# KiCad board CPU2908C.kicad_pcb (continued)
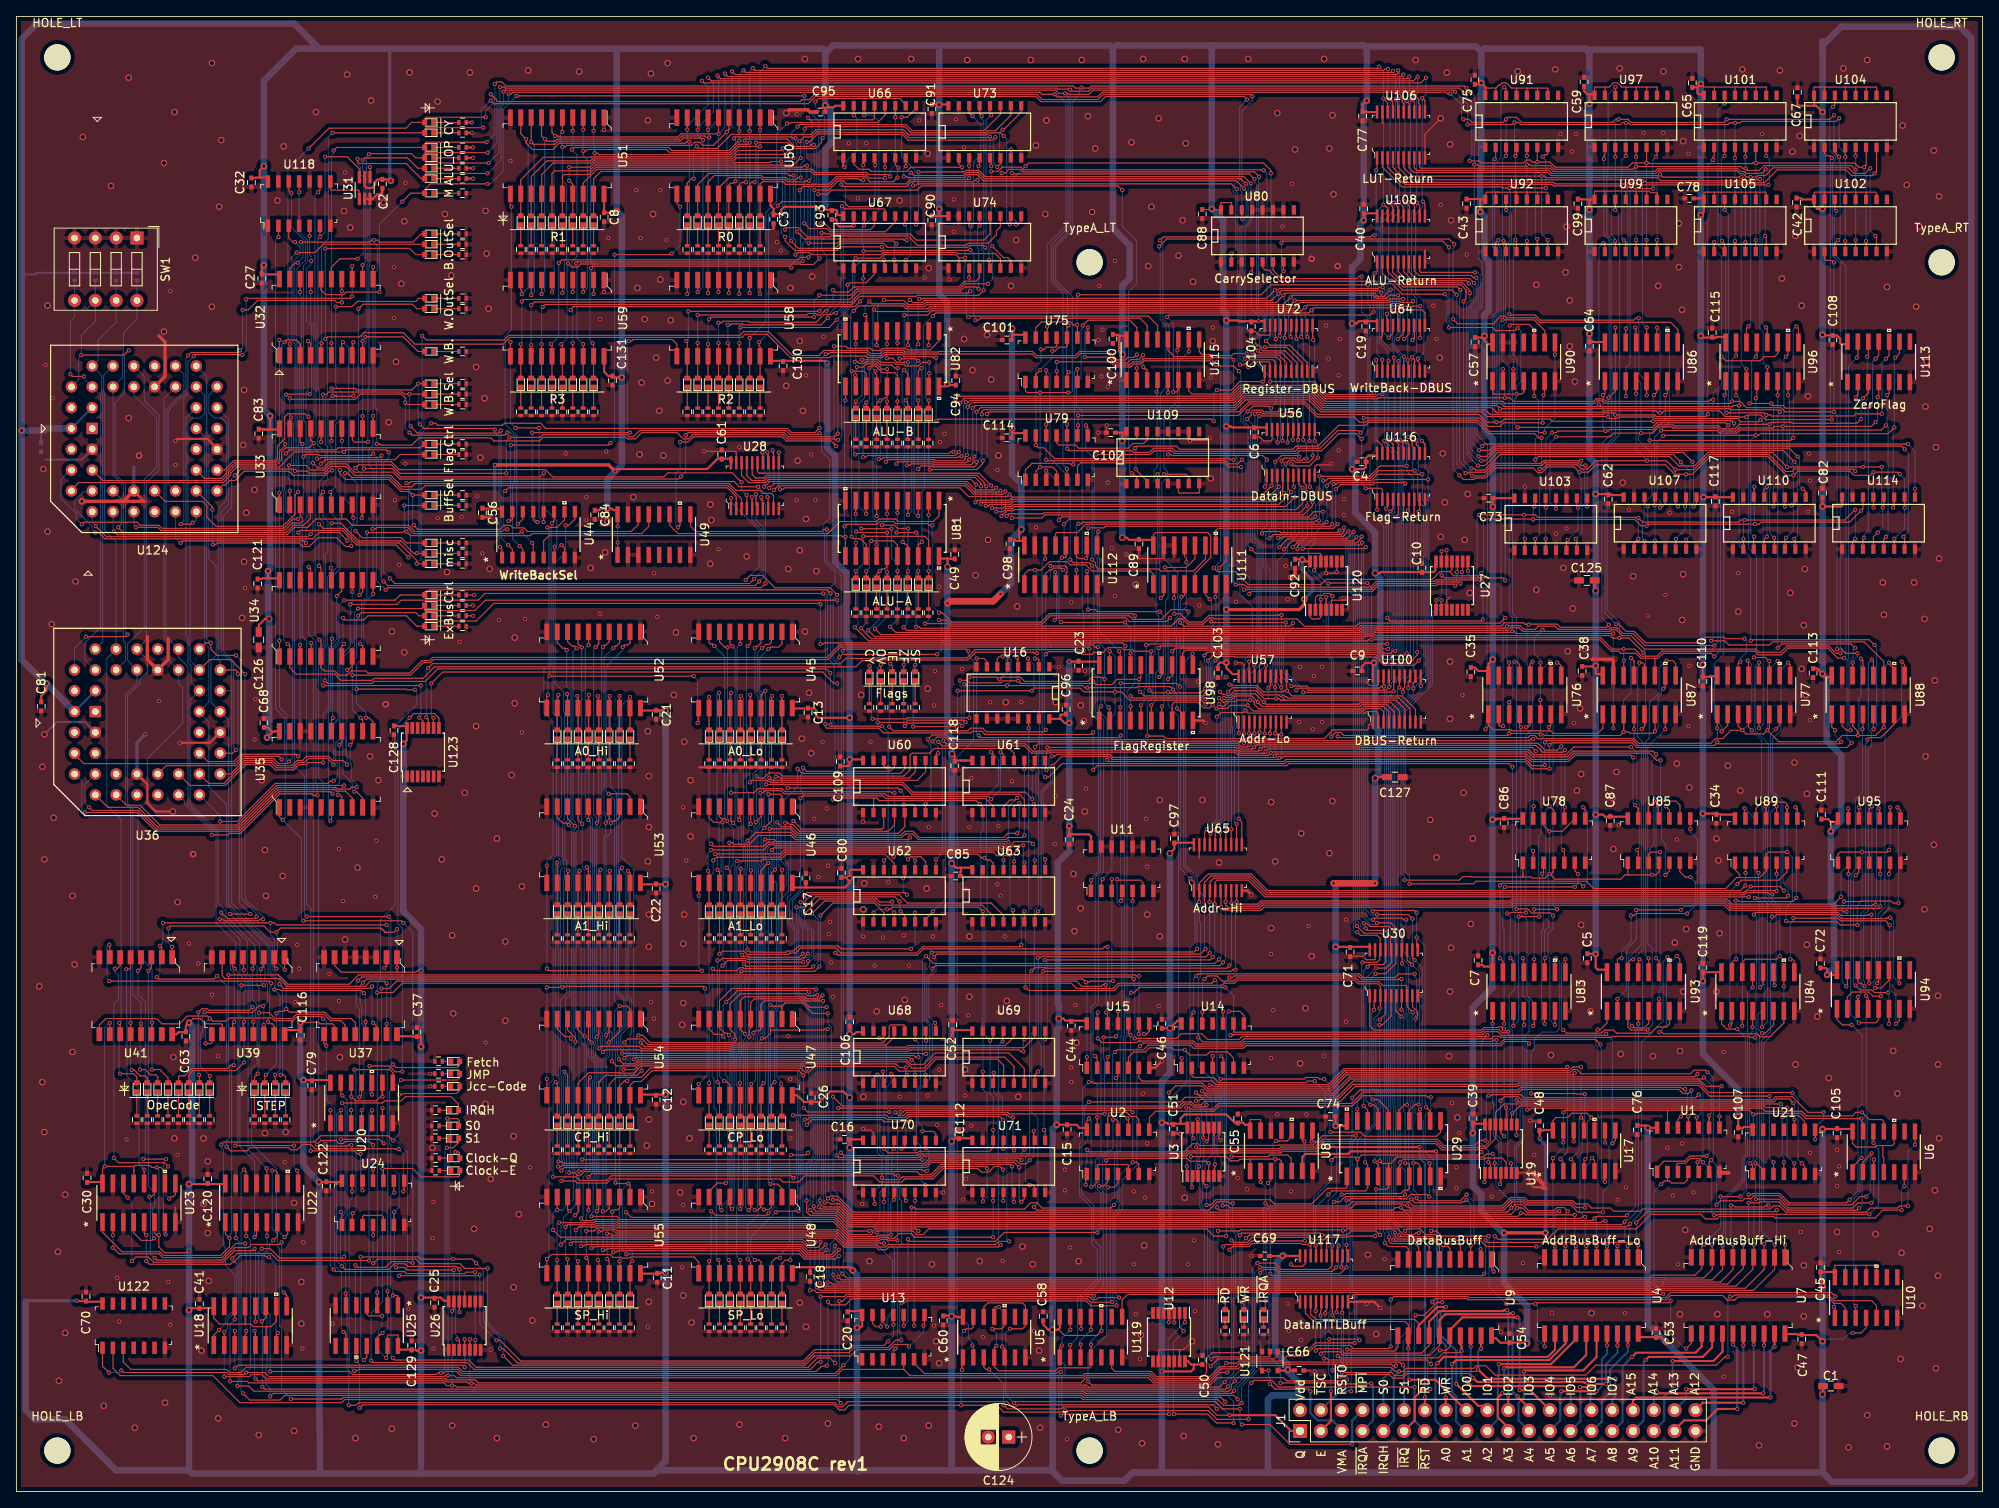
[diagram p0: board, top side]
## Routing (per net, layer and track width the routed paths; a pad name or vN(x,y) marks a point on that pad's centre or on a via; arc(x,y) is an arc through that point) (continued)
/Executer/BR_SEL1: length 220.2
  Top w0.127: 139.31,141.03 139.31,142.3 138.16,143.44 116.32,143.44 v1(116.19,143.31) ; U33.2 v1(33.37,122.1) ; U66.2 102.2,162 102.85,161.35 104.07,161.35 104.33,161.09 108.68,161.09 109.18,161.6 v1(115.43,161.6) 115.03,162 U73.2 ; 115.05,150.55 v1(115.81,150.55) ; 115.05,150.55 114.67,150.93 105.87,150.93 105.43,150.49 v1(102.46,150.49) 102.2,150.24 U67.2 ; 115.05,150.55 115.05,149.28 ; v1(34.2,151.19) 36.44,151.19 37.45,152.2 49.88,152.2 ; v1(33.26,125.21) 35.36,125.21 35.93,124.64 37.57,124.64 38.34,125.4 40.24,125.4 41.26,124.39 45.96,124.39 46.8,123.55 80.83,123.55 v1(81.14,123.86) ; v1(100.25,129.09) 99.87,128.71 94.22,128.71 93.71,129.21 82.01,129.21 v1(81.69,128.89)
  Bottom w0.127: v1(115.43,161.6) 115.43,161.1 115.81,160.72 v1(115.81,150.55) 115.81,149.53 115.68,149.41 115.68,147.63 115.94,147.38 115.94,143.56 v1(116.19,143.31) ; v1(102.46,150.49) 102.08,150.11 102.08,147.93 ; v1(81.69,128.89) 81.69,124.42 v1(81.14,123.86) ; 100.26,129.66 100.26,128.86 ; 100.26,129.66 100.26,129.45 100.25,129.44 v1(100.25,129.09) ; 100.26,129.66 100.26,142.38 100.94,143.06 100.94,143.99 102.08,145.13 102.08,147.93 ; v1(34.2,151.19) 33.62,150.61 33.62,140.41 34.02,140.01 34.02,130.59 33.57,130.15 33.57,125.52 v1(33.26,125.21) 33.26,123.5 33.37,123.39 v1(33.37,122.1) ; 102.08,147.93 102.08,148.01
/Executer/BR_SEL2: length 216.8
  Top w0.127: v1(37.7,140.64) 37.95,140.89 41.9,140.89 42.41,141.4 47.23,141.4 48.63,140.01 59.42,140.01 60.24,140.83 88.57,140.83 88.95,141.21 91.64,141.21 94.49,138.37 99.31,138.37 99.5,138.56 103.67,138.56 103.87,138.36 105.68,138.36 106.06,138.73 108.07,138.73 108.32,138.49 111.77,138.49 111.9,138.36 v1(112.25,138.36) ; v1(37.7,151.69) 47.99,151.69 48.75,150.93 49.75,150.93 ; U123.11 49.63,94.03 49.21,94.44 v1(49.14,94.44) ; v1(146.16,130.61) 145.91,130.86 112.5,130.86 v1(112.25,130.61) ; U72.1 152.37,135.67 v1(152.13,135.44) 149.34,135.44 148.32,134.42 v1(146.54,134.42) ; 37.18,120.41 37.18,121.72 v1(37.44,121.97) ; v1(49.37,98.35) v1(37.45,98.35)
  Bottom w0.127: v1(37.7,151.69) v1(37.7,140.64) 37.95,140.39 37.95,133.71 37.7,133.46 37.7,127.82 37.96,127.56 37.96,123.5 37.44,122.97 v1(37.44,121.97) 37.44,118.94 38.02,118.35 38.02,114.67 37.7,114.36 37.7,103.32 37.2,102.82 37.2,98.6 v1(37.45,98.35) ; v1(146.54,134.42) 146.16,134.04 v1(146.16,130.61) ; v1(49.37,98.35) 49.37,94.67 v1(49.14,94.44) ; v1(112.25,138.36) v1(112.25,130.61)
/Executer/BuffSel0: length 68.5
  Top w0.127: v1(39.48,124.64) 39.48,124.24 40.23,123.5 40.87,123.5 40.87,123.5 45.47,123.5 46.93,122.04 47.92,122.04 v1(48.37,121.59) 49.88,121.59 ; U49.14 75.92,118.02 75.04,117.15 62.37,117.15 61.92,117.6 60.59,117.6 60.28,117.91 59.55,117.91 59.04,117.4 49.01,117.4 v1(48.5,117.91) ; v1(38.52,104.07) 38.45,104 U34.6
  Bottom w0.127: v1(48.5,117.91) 48.37,118.04 v1(48.37,121.59) ; v1(39.48,124.64) 39.48,112.58 38.52,111.61 v1(38.52,104.07)
/Executer/BuffSel1: length 57.9
  Top w0.127: v1(42.78,117.02) 47.13,117.02 47.26,117.15 v1(47.61,117.15) 48.12,116.64 59.53,116.64 59.53,116.64 62.71,116.64 62.96,116.89 76.31,116.89 77.19,117.77 U49.13 ; U34.9 42.26,103.14 v1(41.96,103.43) ; 49.75,120.32 v1(47.36,120.32)
  Bottom w0.127: v1(47.36,120.32) 47.36,117.4 v1(47.61,117.15) ; v1(41.96,103.43) 41.96,103.79 42.15,103.97 42.15,108.49 42.78,109.13 v1(42.78,117.02)
/Executer/CarryIn: length 174.4
  Top w0.127: v1(176.13,124.01) 176.64,123.5 177.87,123.5 178.06,123.69 179.3,123.69 180.51,124.9 185.15,124.9 185.15,124.88 185.7,124.33 186.19,124.33 186.88,125.02 190.16,125.02 v1(190.79,124.39) 191.88,124.39 192.77,125.28 201.28,125.28 202.42,124.13 v1(203.82,124.13) 204.58,124.13 206.74,126.29 213.78,126.29 216.07,124.01 v1(216.9,124.01) 217.41,124.51 223.8,124.51 224.31,124.01 226.3,124.01 v1(226.68,124.39) 229.65,124.39 v1(229.88,124.16) ; v1(174.87,151.82) 174.1,152.58 165.97,152.58 165.97,152.58 154.54,152.58 154.42,152.46 v1(154.42,152.4) ; v1(226.68,120.07) 226.68,121.21 ; U107.10 203.81,120.31 v1(203.69,120.2) ; U80.7 154.66,148.91 v1(154.67,148.9) ; U110.6 215.87,116.24 v1(216.01,116.39) ; U96.7 216.25,133.8 v1(216.27,133.79) ; v1(216.65,120.32) 216.78,120.32 217.14,120.69 U110.10 ; v1(189.34,116.13) 189.2,115.99 U103.6 ; U103.10 190.47,120.21 v1(190.61,120.07) ; v1(230.49,120.07) 230.49,121.34 ; v1(229.22,116.26) 229.22,114.99 ; 202.55,115.12 v1(202.55,116.26)
  Bottom w0.127: v1(174.87,151.82) 174.87,142.8 175.37,142.3 175.37,124.77 v1(176.13,124.01) ; v1(189.34,116.13) 190.61,117.4 v1(190.61,120.07) 190.86,120.32 190.86,120.33 190.99,120.46 190.99,123.63 190.79,123.83 v1(190.79,124.39) ; 216.9,120.32 v1(216.9,124.01) 216.9,125.15 216.45,125.61 216.45,133.25 216.27,133.43 v1(216.27,133.79) ; 216.9,120.32 v1(216.65,120.32) ; 216.9,120.32 216.9,117.28 v1(216.01,116.39) ; v1(202.55,116.26) 203.69,117.4 v1(203.69,120.2) 203.69,124.01 v1(203.82,124.13) ; v1(229.88,124.16) 230.49,123.54 v1(230.49,120.07) 230.49,117.53 v1(229.22,116.26) ; v1(226.68,120.07) v1(226.68,124.39) ; v1(154.42,152.4) 154.42,149.15 v1(154.67,148.9)
/Executer/Flag0: length 21
  Top w0.127: v1(140.07,124.13) 142.73,124.13 143.12,123.75 143.12,123.12 ; v1(139.69,109.02) 140.07,109.4 140.07,110.55
  Bottom w0.127: v1(139.69,109.02) 139.56,109.15 139.56,115.5 ; 139.56,115.5 139.56,123.63 v1(140.07,124.13) ; 139.56,115.5 139.56,115.37
/Executer/Flag3: length 34.5
  Top w0.127: v1(131.3,113.72) 131.72,113.3 131.72,112.92 132.07,112.58 139.43,112.58 139.69,112.32 143.67,112.32 145.15,113.8 145.15,114.99 ; v1(130.54,130.1) 130.78,129.87 U79.8
  Bottom w0.127: v1(131.3,113.72) 131.3,126.3 130.54,127.06 v1(130.54,130.1)
/Executer/Flag5: length 176.7
  Top w0.127: v1(169.77,101.53) 166.99,101.53 166.1,102.42 145.38,102.42 v1(145,102.04) ; 140.82,97.47 140.87,97.43 141.39,97.43 141.42,97.46 144.58,97.46 v1(145.09,97.97) ; 140.82,97.47 138.59,97.47 v1(138.29,97.78) ; 140.82,97.47 140.69,97.47 v1(140.57,97.59) ; v1(169.84,119.69) 169.98,119.83 U116.7 ; v1(126.22,112.95) 128.01,112.95 128.26,112.7 128.26,112.23 128.11,112.08 U112.5 ; v1(125.65,92.95) 125.4,92.7 118.41,92.7 117.97,93.15 116.44,93.15 116.12,92.82 107.05,92.82 v1(106.54,93.33) ; 106.92,100.26 106.92,100.77 v1(106.67,101.02) ; v1(125.65,102.16) 125.97,102.48 129.7,102.48 130.02,102.17 131.31,102.17 131.54,102.4 132.65,102.4 133.24,102.98 134.92,102.98 135.17,102.73 136.21,102.73 136.4,102.54 v1(138.54,102.54) 138.53,102.53 U98.15 ; U14.1 142.21,52.87 v1(142.23,52.89)
  Bottom w0.127: v1(125.65,92.95) 125.46,93.14 125.46,101.98 v1(125.65,102.16) 125.65,110.99 126.22,111.56 v1(126.22,112.95) ; v1(140.57,97.59) 140.57,95.92 141.84,94.65 141.84,53.27 v1(142.23,52.89) ; v1(106.67,101.02) 106.54,100.89 v1(106.54,93.33) ; v1(138.54,102.54) 138.29,102.29 v1(138.29,97.78) ; v1(145.09,97.97) 145.09,98.33 145.27,98.51 145.27,100.77 145,101.04 145,101.62 145,101.62 v1(145,102.04) ; v1(169.84,119.69) 170.15,119.38 170.15,101.91 v1(169.77,101.53)
/Executer/Flag6: length 181.4
  Top w0.127: U112.14 v1(125.57,113.83) ; U113.13 224.78,138.49 v1(224.65,138.36) ; v1(224.01,91.37) 223.44,90.79 197.81,90.79 197.24,91.37 187.38,91.37 v1(187.12,91.11) ; v1(125.59,87.18) 125.99,87.18 127.64,88.83 154.8,88.83 155.06,89.08 184.14,89.08 185.03,88.19 v1(187.12,88.19)
  Bottom w0.127: v1(224.01,91.37) 223.45,91.94 223.45,101.46 223.63,101.65 223.63,137.34 v1(224.65,138.36) ; v1(125.59,87.18) 125.21,87.56 125.21,113.47 v1(125.57,113.83) ; v1(187.12,88.19) v1(187.12,91.11)
/Executer/FlagOut1: length 56.5
  Top w0.127: v1(137.26,95.94) 137.26,94.67 ; U116.3 167.38,120.14 v1(167.18,119.94) ; v1(167.33,103.43) 138.37,103.43 138.25,103.31 v1(137.89,103.31)
  Bottom w0.127: v1(167.33,103.43) 167.33,105.95 167.77,106.39 167.77,106.82 167.65,106.94 167.65,111.57 167.18,112.03 v1(167.18,119.94) ; v1(137.89,103.31) 137.89,98.1 137.65,97.86 137.65,96.34 v1(137.26,95.94)
/Executer/FlagOut2: length 55.7
  Top w0.127: v1(139.43,102.92) 139.69,103.18 166.45,103.18 166.81,102.81 v1(167.44,102.81) ; v1(138.53,95.94) 138.53,94.8 ; v1(167.71,119.6) 168.03,119.92 U116.4
  Bottom w0.127: v1(167.71,119.6) 167.46,119.35 167.46,112.11 167.9,111.67 167.9,107.05 168.03,106.92 168.03,106.29 167.9,106.16 167.9,103.28 v1(167.44,102.81) ; v1(138.53,95.94) 139.05,96.46 139.05,99.88 139.43,100.26 v1(139.43,102.92)
/Executer/FlagOut4: length 47.7
  Top w0.127: v1(169.71,118.93) 169.33,119.3 U116.6 ; 142.34,101.4 142.34,102.29 142.72,102.67 166.2,102.67 166.83,102.04 169.45,102.04 v1(169.7,102.29)
  Bottom w0.127: v1(169.7,102.29) 169.71,102.3 v1(169.71,118.93)
/Executer/IDB0: length 194.9
  Top w0.127: v1(146.53,94.54) 147.04,95.06 149.78,95.06 v1(150.03,95.31) 150.35,94.99 164.65,94.99 164.83,95.18 165.97,95.18 166.22,94.93 U100.2 ; v1(110.08,119.05) 110.08,120.7 ; v1(153.95,128) 153.95,129.54 153.89,129.59 ; v1(110.21,145.53) 110.56,145.53 110.63,145.6 152.59,145.6 v1(153.63,146.63) 153.98,146.63 154.16,146.81 166.27,146.81 166.41,146.94 v1(166.76,146.94) ; U65.18 145.03,80.53 v1(145.33,80.83) ; v1(153.73,140.61) 153.73,140.97 153.66,141.04 153.66,141.9 153.64,141.91 ; U82.3 v1(110.08,140.01) ; v1(167.3,143.69) 167.3,142.73 167.36,142.68 ; v1(150.28,131.79) 150.94,132.44 152.88,132.44 v1(153.13,132.19) ; v1(150.47,101.27) 150.47,99.75
  Bottom w0.127: v1(153.63,146.63) 153.38,146.38 153.38,140.96 v1(153.73,140.61) 153.73,132.79 v1(153.13,132.19) 153.13,128.83 v1(153.95,128) ; 167.15,145.76 167.05,145.86 ; 167.15,145.76 167.05,145.86 ; 167.15,145.76 167.3,145.6 v1(167.3,143.69) ; 167.05,145.86 167.05,146.5 167.05,146.51 167.05,146.66 v1(166.76,146.94) ; v1(110.21,145.53) 110.08,145.4 v1(110.08,140.01) 109.83,139.76 109.83,139 109.57,138.74 109.57,119.44 109.95,119.05 v1(110.08,119.05) ; v1(146.53,94.54) 146.53,94.04 146.53,82.03 v1(145.33,80.83) ; v1(150.28,131.79) 149.79,131.29 149.79,130.65 150.62,129.82 150.62,116 151.41,115.2 151.41,102.22 v1(150.47,101.27) 150.47,100.62 149.85,100 149.85,95.49 v1(150.03,95.31)
/Executer/IDB1: length 197.5
  Top w0.127: 154.28,141.91 154.28,141.37 154.29,141.36 154.22,141.28 v1(154.22,141) ; v1(151.1,100.89) 151.1,99.88 ; v1(150.23,130.87) 150.73,131.37 150.73,131.73 150.96,131.96 152.03,131.96 152.24,131.75 154.02,131.75 v1(154.28,132.01) ; v1(146.48,95.56) 147.8,95.56 148.18,95.94 v1(150.29,95.94) 150.98,95.25 164.39,95.25 164.71,95.56 166.48,95.56 166.87,95.17 U100.3 ; v1(108.81,139.88) 108.81,141.53 ; U81.4 v1(108.81,119.18) ; U65.17 145.68,80.23 v1(145.77,80.32) ; v1(154.55,128.2) 154.55,129.07 154.53,129.09 ; v1(109.06,145.41) 109.38,145.09 110.6,145.09 110.85,145.34 119.35,145.34 153.23,145.34 v1(154.06,146.18) 154.43,146.54 166.36,146.54 v1(166.61,146.29) ; v1(167.51,140.81) 167.99,141.29 167.99,141.78
  Bottom w0.127: v1(145.77,80.32) 145.77,80.91 146.97,82.11 146.97,95.07 v1(146.48,95.56) ; v1(166.61,146.29) 166.61,145.94 166.86,145.68 166.86,141.45 v1(167.51,140.81) ; v1(108.81,119.18) 109.29,119.66 109.29,139.4 v1(108.81,139.88) 108.81,145.16 v1(109.06,145.41) ; v1(154.55,128.2) 154.28,128.48 v1(154.28,132.01) 154.28,140.95 v1(154.22,141) 154.06,141.16 v1(154.06,146.18) ; v1(150.29,95.94) 150.29,96.25 150.1,96.44 150.1,99.89 v1(151.1,100.89) 151.1,101.32 151.67,101.89 151.67,115.31 150.88,116.09 150.88,130.21 v1(150.23,130.87)
/Executer/IDB2: length 201.1
  Top w0.127: 168.63,142.68 168.63,143.63 v1(168.11,144.15) ; v1(146.81,96.09) 147.06,95.84 147.44,95.84 147.99,96.39 148.77,96.39 148.96,96.58 v1(150.61,96.58) 150.86,96.58 151.1,96.34 151.1,96.05 151.65,95.5 164.26,95.5 164.58,95.81 166.86,95.81 167.52,95.15 U100.4 ; v1(151.17,131.52) 151.34,131.69 151.94,131.69 152.13,131.5 154.78,131.5 v1(155.16,131.88) ; 108.94,144.84 109.19,144.84 ; 109.19,144.84 108.81,144.84 108.3,145.34 105.89,145.34 ; 109.19,144.84 110.71,144.84 110.97,145.09 153.77,145.09 v1(154.66,145.98) 154.91,146.23 165.73,146.23 166.1,145.85 166.93,145.85 v1(167.74,146.66) ; U65.16 146.33,80.71 v1(146.35,80.73) ; 155.04,141.91 154.93,141.8 154.93,141.25 154.8,141.12 v1(154.8,140.77) ; v1(152,101.15) 151.74,100.88 151.74,99.88 ; U82.7 v1(105,139.88) ; 155.16,129.34 v1(155.16,128) ; v1(105,119.05) 105,120.07
  Bottom w0.127: v1(167.74,146.66) 167.74,146.31 167.95,146.1 167.95,144.67 168.11,144.5 v1(168.11,144.15) ; v1(146.35,80.73) 146.35,81.13 147.22,82.01 147.22,95.68 v1(146.81,96.09) ; v1(154.66,145.98) 154.66,145.62 154.8,145.48 v1(154.8,140.77) 154.8,132.25 v1(155.16,131.88) v1(155.16,128) ; v1(105,119.05) 105,125.51 104.81,125.7 104.81,126.25 105,126.44 105,134.93 105.51,135.44 105.51,139.37 v1(105,139.88) 105,140.24 105.13,140.36 105.13,144.65 v1(105.89,145.41) ; 150.63,96.64 150.63,99.77 v1(152,101.15) 152,101.5 151.92,101.58 151.92,115.41 151.17,116.16 v1(151.17,131.52)
/Executer/IDB3: length 207.2
  Top w0.127: U100.5 168.17,95.14 167.25,96.07 164.32,96.07 164.07,95.81 152.05,95.81 v1(151.54,96.32) 150.78,97.08 148.79,97.08 148.35,96.64 147.88,96.64 147.56,96.33 147.3,96.33 v1(146.8,96.83) ; 152.5,99.75 152.53,99.78 v1(152.53,100.8) ; U82.8 103.73,143.44 v1(103.6,143.56) ; 103.73,142.17 103.73,142.93 ; 169.26,141.66 169.26,141.26 v1(168.64,140.64) ; v1(146.91,80.45) 146.98,80.38 U65.15 ; v1(155.81,128.32) 155.81,129.08 ; v1(155.54,140.9) 155.54,141.91 ; v1(168.64,145.98) 167.6,145.98 167.22,145.6 166,145.6 165.62,145.97 155.79,145.97 v1(155.54,145.72) 154.66,144.83 111.09,144.83 110.84,144.58 108.68,144.58 108.33,144.93 104.39,144.93 v1(104.11,145.22) ; v1(155.8,131.63) 155.42,131.25 v1(151.73,131.25) ; U81.8 v1(103.73,119.31)
  Bottom w0.127: v1(146.8,96.83) 147.54,96.08 147.54,81.97 146.91,81.33 v1(146.91,80.45) ; v1(104.11,145.22) 103.6,144.71 v1(103.6,143.56) 103.85,143.32 103.85,137.74 103.54,137.43 103.54,133.47 102.84,132.77 102.84,120.2 v1(103.73,119.31) ; v1(155.54,145.72) 155.3,145.47 155.3,141.15 v1(155.54,140.9) 155.8,140.64 v1(155.8,131.63) 155.81,131.62 v1(155.81,128.32) ; v1(151.73,131.25) 151.48,131 151.48,116.21 152.18,115.52 152.18,112.87 152.53,112.51 v1(152.53,100.8) 151.54,99.81 v1(151.54,96.32) ; v1(168.64,140.64) 168.89,140.89 168.89,144.38 168.77,144.5 168.77,145.85 v1(168.64,145.98)
/Executer/IDB4: length 207.8
  Top w0.127: U82.13 103.73,136.45 103.47,136.71 v1(101.95,136.71) ; v1(153.66,125.66) 154.42,126.42 156.45,126.42 v1(156.58,126.29) ; v1(156.24,140.64) 156.24,141 156.18,141.06 156.18,141.91 ; v1(169.26,145.53) 167.63,145.53 167.45,145.34 156.4,145.34 156.38,145.32 v1(156.02,145.32) 155.29,144.58 111.48,144.58 111.22,144.33 108.58,144.33 108.23,144.68 102.81,144.68 v1(102.2,144.07) ; v1(147.67,81.08) 147.63,81.04 U65.14 ; 103.73,114.99 103.73,115.56 103.03,116.26 102.2,116.26 v1(101.95,116.51) ; U57.14 153.09,98.31 v1(152.81,98.04) ; v1(156.43,128.32) 156.43,129.21 ; v1(169.38,140.64) 170.02,141.28 170.02,141.91 ; v1(147.43,96.83) 147.49,96.9 148.24,96.9 148.68,97.34 151.23,97.34 v1(152.24,96.32) 152.5,96.07 163.82,96.07 164.07,96.32 167.75,96.32 168.82,95.25 U100.6
  Bottom w0.127: v1(153.66,125.66) 153.66,125.3 153.64,125.29 153.64,122.18 153.2,121.73 153.2,117.6 152.5,116.89 152.5,112.97 153.02,112.45 153.02,98.61 152.81,98.4 v1(152.81,98.04) ; v1(147.67,81.08) 147.92,81.33 147.92,96.33 v1(147.43,96.83) ; v1(169.38,140.64) 169.26,140.77 v1(169.26,145.53) ; v1(156.02,145.32) 155.77,145.07 155.77,144.72 156.24,144.25 v1(156.24,140.64) 156.43,140.45 v1(156.43,128.32) 156.43,126.44 v1(156.58,126.29) ; v1(152.24,96.32) 152.81,96.89 v1(152.81,98.04) ; v1(152.81,98.04) 152.87,97.98 152.87,97.97 152.88,97.97 152.88,98.1 ; v1(102.2,144.07) 101.82,143.69 101.82,136.83 v1(101.95,136.71) v1(101.95,116.51)
/Executer/IDB5: length 206.4
  Top w0.127: v1(104.68,144.24) 104.93,143.99 111.26,143.99 111.6,144.33 155.89,144.33 v1(156.34,144.78) 156.65,145.09 167.55,145.09 167.68,145.22 168.92,145.22 169.05,145.09 170.02,145.09 ; 170.02,145.09 170.15,145.09 ; 170.02,145.09 170.29,145.09 v1(170.47,145.27) ; v1(157.47,126.04) 157.11,126.04 156.93,125.85 156.37,125.85 156.12,126.1 154.73,126.1 v1(154.42,125.78) ; 154.91,96.58 168.39,96.58 169.47,95.49 U100.7 ; 154.91,96.58 154.31,96.58 154.12,96.76 v1(153.77,96.76) 152.29,96.76 151.34,97.71 148.7,97.71 148.14,97.15 147.75,97.15 147.63,97.27 147.23,97.27 v1(146.91,97.59) ; 154.91,96.58 154.4,96.58 ; v1(156.81,140.9) 156.94,141.03 156.94,142.3 ; U65.13 148.28,80.8 v1(148.31,80.83) ; v1(157.07,128.32) 157.07,129.09 ; U81.14 v1(105,115.57) ; 105,135.82 105,136.23 104.87,136.35 v1(104.87,136.71) ; 153.77,99.24 153.64,99.11 v1(153.64,98.1) ; v1(170.4,140.52) 170.65,140.77 170.65,141.78
  Bottom w0.127: v1(157.47,126.04) 157.47,127.93 v1(157.07,128.32) 157.07,140.64 v1(156.81,140.9) 156.81,144.3 v1(156.34,144.78) ; v1(148.31,80.83) 148.31,91.55 148.19,91.67 148.19,93.25 148.31,93.36 148.31,95.18 ; v1(153.77,96.76) 153.77,98.07 153.64,98.2 v1(153.64,98.1) ; v1(170.4,140.52) 170.47,140.58 v1(170.47,145.27) ; v1(154.42,125.78) 154.42,125.26 154.67,125.01 154.67,122.44 153.71,121.48 153.71,116.85 153.38,116.52 153.38,99.73 153.28,99.62 153.28,98.46 v1(153.64,98.1) ; 153.64,98.1 v1(153.64,98.1) ; 148.31,95.18 148.31,96.59 147.63,97.27 147.23,97.27 v1(146.91,97.59) ; 148.31,95.18 148.31,95.57 ; v1(105,115.57) 105,118.4 104.56,118.84 104.56,136.39 v1(104.87,136.71) 104.56,137.02 104.56,144.12 v1(104.68,144.24)
/Executer/IDB6: length 201.8
  Top w0.127: 148.94,98.1 149.07,98.1 ; 149.07,98.1 149.19,98.1 ; 149.07,98.1 148.69,98.1 ; v1(108.37,143.55) 111.2,143.55 111.73,144.07 156.87,144.07 v1(157.32,144.52) 157.57,144.77 167.59,144.77 167.79,144.96 168.75,144.96 169.07,144.64 v1(171.36,144.64) ; U100.8 170.12,95.47 168.77,96.83 155.2,96.83 155.01,97.02 v1(154.66,97.02) 154.3,97.02 154.11,97.21 152.2,97.21 151.31,98.1 149.19,98.1 ; 171.29,142.04 171.35,141.98 v1(171.35,140.77) ; v1(147.93,97.59) 148.43,98.1 149.19,98.1 ; v1(108.37,136.83) 108.81,136.39 U82.17 ; v1(148.94,81.46) 148.93,81.45 U65.12 ; v1(158.23,126.42) 158.23,126.07 157.76,125.6 156.15,125.6 155.9,125.84 155.37,125.84 v1(154.93,125.4) ; v1(157.58,140.9) 157.58,141.79 ; v1(157.83,128.2) 157.83,129.47 ; v1(108.17,115.88) 108.42,115.63 108.55,115.63 108.81,115.37 108.81,114.48 ; v1(154.4,98.1) 154.4,99.24
  Bottom w0.127: v1(108.17,115.88) 108.17,116.23 108.37,116.43 108.37,124.18 108.24,124.3 108.24,125.49 108.37,125.62 108.37,132.71 108.11,132.96 108.11,136.58 v1(108.37,136.83) v1(108.37,143.55) ; v1(158.23,126.42) 158.23,127.8 v1(157.83,128.2) 157.83,140.64 v1(157.58,140.9) 157.32,141.15 v1(157.32,144.52) ; v1(147.93,97.59) 148.69,96.83 148.69,95.44 ; 154.28,97.97 v1(154.4,98.1) ; v1(154.4,98.1) 154.4,97.27 v1(154.66,97.02) ; v1(154.4,98.1) 153.66,98.85 153.66,104.75 153.66,115.37 155.16,116.88 155.16,124.81 154.93,125.05 v1(154.93,125.4) ; v1(171.36,144.64) 171.36,140.78 v1(171.35,140.77) ; 148.69,95.44 148.69,93.39 148.45,93.15 148.45,91.77 148.69,91.53 148.69,81.71 v1(148.94,81.46) ; 148.69,95.44 148.69,95.76
/Executer/IDB7: length 197.4
  Top w0.127: 167.75,97.08 155.72,97.08 v1(155.08,97.72) 154.73,97.72 154.6,97.59 152.18,97.59 151.42,98.35 148.55,98.35 148.42,98.48 v1(148.07,98.48) ; 167.75,97.08 169.15,97.08 170.77,95.46 U100.9 ; 167.75,97.08 167.86,97.08 ; v1(158.47,128.2) 158.47,129.59 ; v1(155.56,125.4) 155.81,125.15 157.85,125.15 v1(158.86,126.17) ; 171.94,142.8 171.94,143.82 171.56,144.2 169.13,144.2 168.63,144.71 167.89,144.71 167.64,144.45 158.4,144.45 v1(158.09,144.14) 157.76,143.82 113.51,143.82 ; v1(110.52,115.88) 110.27,115.62 110.08,115.62 U81.18 ; 113.51,143.82 112.24,143.82 v1(111.86,143.44) ; 113.51,143.82 113.63,143.82 ; 155.04,99.5 155.04,97.76 ; 110.08,135.06 110.08,136.71 v1(110.46,137.09) ; U65.11 149.58,79.86 149.58,79.86 149.58,81.72 v1(149.19,82.1) ; v1(158.27,140.52) 158.27,140.87 158.21,140.93 158.21,141.91
  Bottom w0.127: v1(111.86,143.44) 110.71,142.29 110.71,137.34 v1(110.46,137.09) 110.52,137.03 110.52,131.95 110.84,131.63 110.84,122.36 110.52,122.04 v1(110.52,115.88) ; v1(155.56,125.4) 155.91,125.4 156.14,125.18 156.14,125.17 156.56,124.75 156.56,116.92 155.17,115.53 155.17,114.76 153.91,113.5 153.91,104.65 153.91,99.3 155.04,98.17 155.04,97.76 ; v1(149.19,82.1) 149.19,91.38 148.7,91.88 148.7,93.04 148.95,93.28 148.95,97.6 v1(148.07,98.48) ; v1(158.09,144.14) 158.27,143.95 v1(158.27,140.52) 158.47,140.32 v1(158.47,128.2) 158.86,127.8 v1(158.86,126.17)
/Executer/IND: length 137.5
  Top w0.127: v1(116.7,17.84) 116.81,17.72 U5.2 ; v1(116.19,102.54) 115.94,102.79 101.05,102.79 v1(100.86,102.6) ; v1(98.92,117.4) 98.57,117.4 98.31,117.15 82.92,117.15 82.28,117.78 82.28,119.05
  Bottom w0.127: v1(116.19,102.54) 116.19,102.02 116.83,101.39 116.83,91.66 114.82,89.65 114.82,21.76 116.19,20.39 116.19,18.7 116.7,18.19 v1(116.7,17.84) ; v1(100.86,102.6) 100.86,102.96 100.67,103.15 100.67,111.79 98.92,113.54 v1(98.92,117.4)
/Executer/L0: length 24.2
  Top w0.127: 90.78,155.63 U50.19 90.78,159.55 91.04,159.82 93.59,159.82 93.9,159.51 99.14,159.51 100.08,160.45 103.56,160.45 104.19,159.82 107.03,159.82 v1(107.54,160.33) ; v1(107.68,161.53) 107.28,161.93 107.28,162.49
  Bottom w0.127: v1(107.54,160.33) 107.54,161.39 v1(107.68,161.53)
/Executer/L1: length 35.3
  Top w0.127: v1(90.1,159.76) 89.72,159.76 89.5,159.55 U50.18 89.5,155.63 ; v1(90.27,164.6) 94.15,164.6 94.86,163.88 97.52,163.88 98.28,164.65 98.28,165.03 v1(98.41,165.16) ; 108.57,169.22 107.81,169.98 97.9,169.98 v1(97.52,169.6)
  Bottom w0.127: 98.03,168.46 97.96,168.53 ; 98.03,168.46 98.66,167.83 98.66,165.4 v1(98.41,165.16) ; 98.03,168.46 97.52,168.97 v1(97.52,169.6) ; v1(90.1,159.76) 90.27,159.93 v1(90.27,164.6)
/Executer/L2: length 45.5
  Top w0.127: v1(88.87,164.85) 89.06,165.04 94.07,165.04 94.97,164.14 96.78,164.14 96.97,164.33 v1(97.32,164.33) ; v1(96.68,152.33) 100.22,152.33 100.47,152.58 107.09,152.58 v1(107.41,152.26) ; 88.23,155.63 U50.17 88.23,159.44 88.56,159.76 v1(89.06,159.76) ; v1(107.16,150.3) 107.16,149.41
  Bottom w0.127: v1(88.87,164.85) 89.06,164.66 v1(89.06,159.76) ; v1(96.68,152.33) 96.93,152.58 96.93,159 97.65,159.71 97.65,164 v1(97.32,164.33) ; 107.16,150.44 v1(107.16,150.3) 107.16,152.01 v1(107.41,152.26)
/Executer/L3: length 46.1
  Top w0.127: v1(108.43,154.61) 108.43,155.5 ; v1(87.6,165.1) 87.79,165.29 94.61,165.29 94.74,165.16 v1(95.1,165.16) ; 86.97,155.63 U50.16 86.97,159.05 ; v1(108.68,152.71) 108.33,152.71 108.2,152.84 98.56,152.84 98.55,152.84 96.16,152.84 v1(95.28,153.72) ; v1(87.79,159.89) 87.54,159.64 87.16,159.64 86.97,159.44 86.97,159.06
  Bottom w0.127: v1(87.6,165.1) 87.79,164.92 v1(87.79,159.89) ; v1(95.1,165.16) 95.1,164.63 95.28,164.44 95.28,161.17 95.3,161.14 95.3,160.38 95.11,160.19 95.11,153.9 v1(95.28,153.72) ; v1(108.68,152.71) 108.68,154.36 v1(108.43,154.61)
/Executer/L4: length 49.5
  Top w0.127: v1(96.48,164.7) 96.83,164.7 97.79,165.66 100.27,165.66 100.33,165.6 108.15,165.6 108.84,164.9 119.11,164.9 v1(119.49,165.28) ; U73.6 120.11,162.03 v1(119.71,161.63) ; 85.69,155.63 U50.15 85.69,159.05 86.98,160.33 90.84,160.33 91.09,160.07 93.86,160.07 94.11,159.82 96.28,159.82 96.41,159.95 v1(96.76,159.95)
  Bottom w0.127: v1(119.71,161.63) 119.24,162.11 119.24,164.67 119.49,164.93 v1(119.49,165.28) ; v1(96.48,164.7) 96.48,162.75 97.01,162.22 97.01,160.2 v1(96.76,159.95)
/Executer/L5: length 50.1
  Top w0.127: 84.42,155.63 U50.14 84.42,159.81 85.2,160.58 90.95,160.58 91.2,160.33 93.97,160.33 94.22,160.07 95.14,160.07 95.39,160.33 v1(95.74,160.33) ; 108.19,166.55 108.45,166.55 109.2,165.8 118.29,165.8 118.53,166.04 119.49,166.04 121.38,167.93 U73.10 ; 108.19,166.55 108.32,166.55 ; 108.19,166.55 96.49,166.55 v1(96.24,166.3)
  Bottom w0.127: v1(96.24,166.3) 96.24,165.94 96.04,165.75 96.04,164.49 96.17,164.36 96.17,162.4 95.74,161.98 v1(95.74,160.33)
/Executer/L6: length 52.5
  Top w0.127: v1(95.09,150.93) 95.34,151.18 96.76,151.18 97.01,150.93 105.51,150.93 105.77,151.19 114.77,151.19 114.9,151.06 119.48,151.06 120.11,150.42 120.11,149.53 ; 83.16,155.63 U50.13 83.16,159.47 84.52,160.84 90.84,160.84 90.84,160.84 94.07,160.84 94.32,160.58 v1(94.86,160.58)
  Bottom w0.127: v1(95.09,150.93) 95.09,152.7 94.84,152.95 94.84,160.21 94.86,160.23 v1(94.86,160.58)
/Executer/L7: length 60.5
  Top w0.127: 81.89,155.63 U50.12 81.89,159.68 82.41,160.2 v1(82.66,160.2) ; 121.38,155.76 121.38,154.74 v1(121.25,154.61) ; v1(120.51,165.41) 120.14,165.78 118.63,165.78 118.39,165.54 108.92,165.54 108.29,166.17 97.58,166.17 97.01,165.6 87.23,165.6 85.52,163.89 83.29,163.89 v1(83.04,164.14)
  Bottom w0.127: v1(83.04,164.14) 82.66,163.76 v1(82.66,160.2) ; v1(120.51,165.41) 120.87,165.04 120.87,155 v1(121.25,154.61)
/Executer/L8: length 42.9
  Top w0.127: 70.45,155.63 U51.19 70.45,160.19 71.36,161.09 90.74,161.09 97,161.09 97.39,160.7 103.66,160.7 104.1,160.26 v1(106.02,160.26) ; v1(106.02,161.6) 106.02,162.36
  Bottom w0.127: v1(106.02,161.6) v1(106.02,160.26)
/Executer/L9: length 52.1
  Top w0.127: 107.28,168.95 v1(107.28,167.69) 107.28,168.46 ; v1(106.65,160.46) 106.4,160.71 104.02,160.71 103.77,160.96 97.51,160.96 97.12,161.35 94.28,161.35 70.85,161.35 69.19,159.68 U51.18 69.19,155.63
  Bottom w0.127: v1(107.28,167.69) 107.28,161.87 107.3,161.85 106.65,161.2 v1(106.65,160.46)
/Executer/L10: length 57.4
  Top w0.127: v1(105.89,150.3) 105.89,149.41 ; v1(67.47,159.95) 67.92,159.51 U51.17 67.92,155.63 ; v1(67.47,161.6) 70.01,161.6 70.52,162.11 87.6,162.11 87.66,162.17 91.99,162.17 92.12,162.29 93.33,162.29 v1(93.33,162.29) ; v1(93.84,153.09) 93.84,152.61 95.01,151.44 100.17,151.44 100.61,151.88 v1(105.63,151.88)